# Altium PCB MalletteV2_PCB_2L.PcbDoc
Units mm, origin at the board's own origin, x right, y up, seen from the top; angles counter-clockwise.
Board outline 390 x 250 mm, 2 copper layers (Top, Bottom), stack 1.54 mm thick; 86 components, 46 nets, 361 pads, 11 vias.
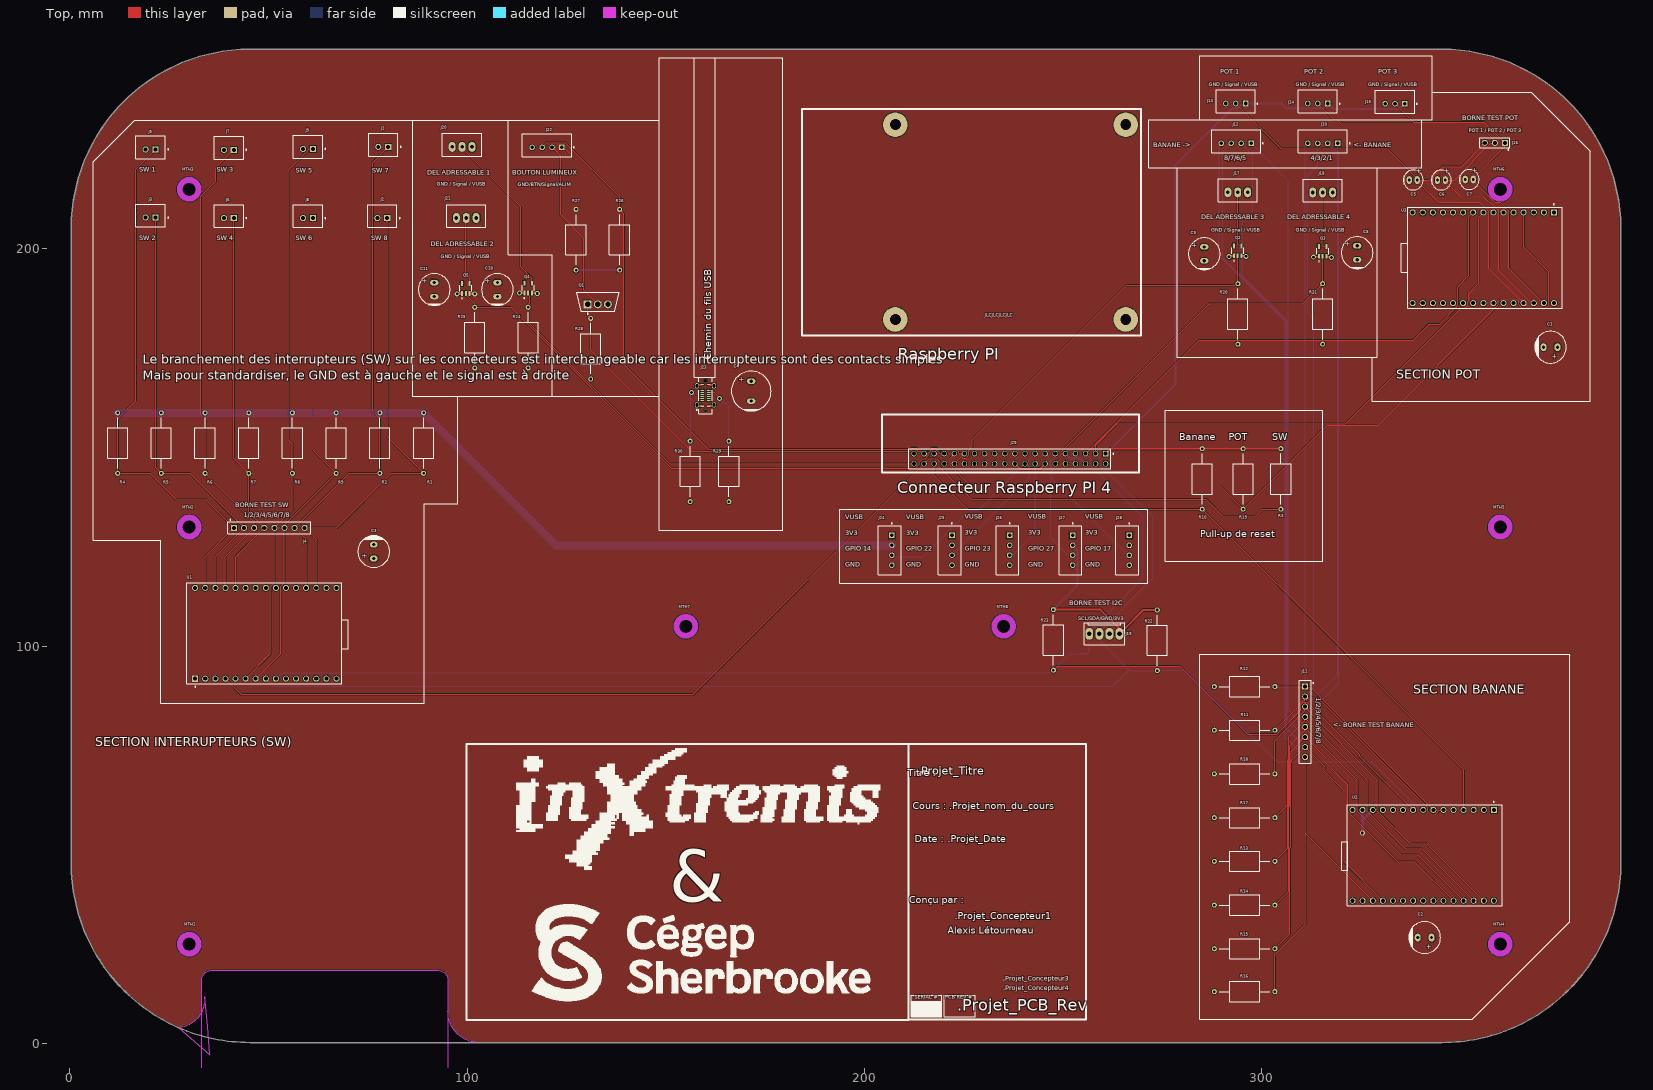
[diagram p0: Top view]
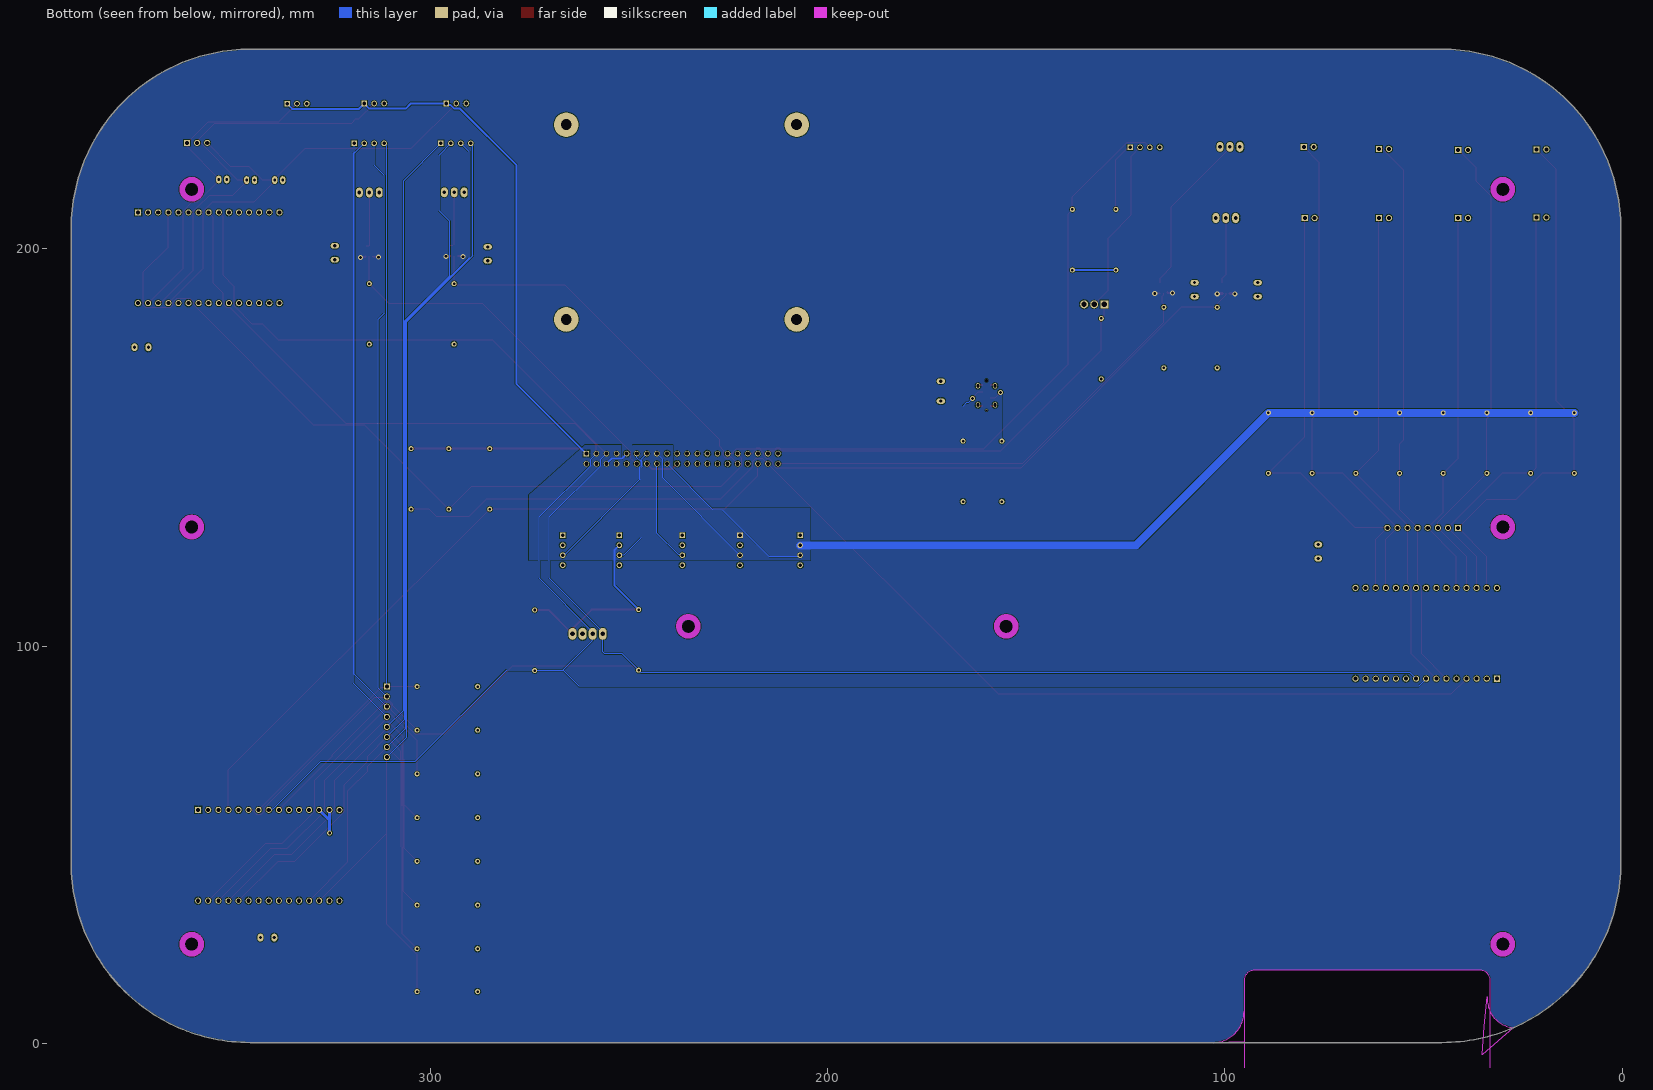
[diagram p1: Bottom view, seen from below]

## Layer stack, top to bottom
Top Solder: solder mask 0.0102, Solder Resist, Dk 3.5
Top: signal copper 0.035
Dielectric 1: core 1.47, FR-4, Dk 4.6
Bottom: signal copper 0.035
Bottom Solder: solder mask 0.0102, Solder Resist, Dk 3.5

## Board outline
0.318,45.254 0.318,205.254 cw(c45.318,205.254) 45.318,250.254 345.318,250.254 cw(c345.318,205.254) 390.318,205.254 390.318,45.254 cw(c345.318,45.254) 345.318,0.254 45.318,0.254 cw(c45.318,45.254)
cut-out: 33.874,11.83 cw(c26.722,11.171) 27.381,4.019 35.229,-2.823 34.663,4.347
cut-out: 102.87,0.254 cw(c102.944,8.064) 95.133,8.138 95.133,0.264 98.943,0.264
cut-out: 33.147,-13.716 33.147,15.875 cw(c35.687,15.875) 35.687,18.415 92.583,18.415 cw(c92.583,15.875) 95.123,15.875 95.123,-13.716

## Design rules (kind name [scope] priority, off if disabled: settings)
BoardOutlineClearance [All] p1: gap=0.2 ignorepadtopadclearanceinfootprint=FALSE except(0: Arc-SplitContinuation Track-SplitContinuation SMDPad-SplitContinuation THPad-SplitContinuation Via-SplitContinuation Fill-SplitContinuation Poly-SplitContinuation Region-SplitContinuation Text-SplitContinuation)
Clearance [All] p1: gap=0.152 ignorepadtopadclearanceinfootprint=FALSE except(0: Arc-Hole Track-Hole SMDPad-Hole THPad-Hole Via-Hole Fill-Hole Poly-Hole Region-Hole Text-Hole; 0.127: Arc-Arc Arc-Track Track-Track SMDPad-Fill SMDPad-Poly SMDPad-Region; 0.2: Arc-SMDPad Track-SMDPad; 0.254: Arc-Via Track-Via Via-Via; 0.33: Arc-THPad Track-THPad; 0.5: THPad-THPad) ismatrix=TRUE
Clearance Clearance_2 [All] p2: gap=0.254 ignorepadtopadclearanceinfootprint=FALSE
Clearance Clearance_1 [All] p3: gap=0.254 ignorepadtopadclearanceinfootprint=FALSE
ComponentClearance [All] p1: gap=0.102 collisioncheckmode=3 verticalgap=0.102 showdistances=FALSE
HoleSize [All] p1: absolutevalues=TRUE maxlimit=6.3 minlimit=0.3 maxpercent=80.000 minpercent=20.000
HoleToHoleClearance [All] p1: gap=0.5 allowstackedmicrovias=FALSE
MinimumAnnularRing [All] p1: minimumring=0.1
MinimumSolderMaskSliver [All] p1: minsoldermaskwidth=0.1
PlaneClearance [All] p1: clearance=0.152
PlaneConnect [All] p1: pad.planeconnectstyle=Relief pad.reliefexpansion=0.508 pad.reliefentries=4 pad.reliefconductorwidth=0.254 pad.reliefairgap=0.254 via.planeconnectstyle=Direct via.reliefexpansion=0.508 via.reliefentries=4 via.reliefconductorwidth=0.254 via.reliefairgap=0.254
PolygonConnect [All] p1: thpad.connectstyle=Relief thpad.reliefconductorwidth=0.254 thpad.reliefentries=4 thpad.polygonreliefangle="90 Angle" thpad.airgapwidth=0.254 smdpad.connectstyle=Relief smdpad.reliefconductorwidth=0.254 smdpad.reliefentries=4 smdpad.polygonreliefangle="90 Angle" smdpad.airgapwidth=0.254 via.connectstyle=Direct via.reliefconductorwidth=0.254 via.reliefentries=4 via.polygonreliefangle="90 Angle" via.airgapwidth=0.254
RoutingVias [All] p1: holewidth=0.3 width=0.5 viastyle="Through Hole" minholewidth=0.3 minwidth=0.5 maxholewidth=6.3 maxwidth=6.5
SilkToSilkClearance [All] p1: silktosilkclearance=0.102
SilkToSolderMaskClearance [IsPad] p1: minsilkscreentomaskgap=0.024 clearancetoexposedcopper=FALSE
SolderMaskExpansion SolderMaskExpansion_Via [isVia] p1: expansion=0.102 istentingtop=TRUE
SolderMaskExpansion [All] p2: expansion=0.051 istentingtop=FALSE
Width [All] p1: maxlimit=25.4 minlimit=0.127 preferedwidth=0.152 minimp=50.000000 maximp=50.000000 favimp=50.000000
22 further rules are at their usual default settings.

## Classes and differential pairs
component class Alimentation_USB_Header: C4 J23 R29 R30
component class Énigme3_Potentiomètres: C3 C5 C6 C7 J13 J14 J15 J16 R19 U3
component class Énigme2_Crocodile: C2 J10 J11 J12 R10 R11 R12 R13 R14 R15 R16 R17 R18 U2
component class Énigme1_Switch: C1 J1 J2 J3 J4 J5 J6 J7 J8 J9 R1 R2 R3 R4 R5 R6 R7 R9 U1
component class Raspberry_Pi_4_ModelB: C8 C9 C10 C11 J17 J18 J19 J20 J21 J22 J24 J25 J26 J27 J28 J29 ll MTH1 MTH2 MTH3 MTH4 MTH5 MTH6 MTH7 MTH8 Q1 Q2 Q3 Q4 Q5 R20 R21 R22 R23 R24 R25 R26 R27 R28

## Components (designator, comment, footprint, x,y, rotation, side; value= is the part's Value field where it differs from the comment)
C1 "100 µF" "CAP AL TH D8 L3.5 H12.5" 372.646,175.26 r180 top
C2 "100 µF" "CAP AL TH D8 L3.5 H12.5" 340.967,26.67 r180 top
C3 "100 µF" "CAP AL TH D8 L3.5 H12.5" 76.454,123.825 r90 top
C4 "470 µF" "CAP TH ALPOLY D10.00mm S5.00mm H13.00mm" 171.45,164.211 r90 top
C5 "0.1µF" "CAP TH ALUM ELEC D5.00mm S2.00mm H12.00mm" 338.102,217.33 r0 top
C6 "0.1µF" "CAP TH ALUM ELEC D5.00mm S2.00mm H12.00mm" 345.17,217.33 r0 top
C7 "0.1µF" "CAP TH ALUM ELEC D5.00mm S2.00mm H12.00mm" 352.187,217.467 r0 top
C8 "0.1 uf" "CAP TH ALPOLY D8.00mm S3.50mm H21.50mm" 323.977,199.035 r90 top
C9 "0.1 uf" "CAP TH ALPOLY D8.00mm S3.50mm H21.50mm" 285.496,198.767 r90 top
C10 "0.1 uf" "CAP TH ALPOLY D8.00mm S3.50mm H21.50mm" 107.569,189.766 r90 top
C11 "0.1 uf" "CAP TH ALPOLY D8.00mm S3.50mm H21.50mm" 91.694,189.766 r90 top
J1 "B2B-XH-A(LF)(SN)" FP-B2B-XH-A_LF_SN-MFG 78.837,226.193 r180 top
J2 "B2B-XH-A(LF)(SN)" FP-B2B-XH-A_LF_SN-MFG 78.593,208.291 r180 top
J3 "B2B-XH-A(LF)(SN)" FP-B2B-XH-A_LF_SN-MFG 20.3,208.424 r180 top
J4 "CON_HDR_1X8" CON_HDR_1x8 50.165,129.794 r90 top
J5 "B2B-XH-A(LF)(SN)" FP-B2B-XH-A_LF_SN-MFG 20.3,225.569 r180 top
J6 "B2B-XH-A(LF)(SN)" FP-B2B-XH-A_LF_SN-MFG 39.985,208.291 r180 top
J7 "B2B-XH-A(LF)(SN)" FP-B2B-XH-A_LF_SN-MFG 39.985,225.461 r180 top
J8 "B2B-XH-A(LF)(SN)" FP-B2B-XH-A_LF_SN-MFG 59.924,208.291 r180 top
J9 "B2B-XH-A(LF)(SN)" FP-B2B-XH-A_LF_SN-MFG 59.924,225.679 r180 top
J10 "B4B-XH-A(LF)(SN)" FP-B4B-XH-A_LF_SN-MFG 315.321,227.093 r0 top
J11 "CON_HDR_1X8" CON_HDR_1x8 310.896,80.967 r0 top
J12 "B4B-XH-A(LF)(SN)" FP-B4B-XH-A_LF_SN-MFG 293.517,227.093 r0 top
J13 "B3B-XH-A(LF)(SN)" FP-B3B-XH-A_LF_SN-MFG 293.41,237.126 r180 top
J14 "B3B-XH-A(LF)(SN)" FP-B3B-XH-A_LF_SN-MFG 314.071,237.126 r180 top
J15 "B3B-XH-A(LF)(SN)" FP-B3B-XH-A_LF_SN-MFG 333.502,237.076 r180 top
J16 "CON_HDR_1X3" CON_HDR_1x3 358.632,226.695 r270 top
J17 "B3B-XH-A(LF)(SN)" "JST XH B3B-XH-A" 293.918,214.249 r180 top
J18 "B3B-XH-A(LF)(SN)" "JST XH B3B-XH-A" 315.301,214.208 r180 top
J19 "0022272041" "MOLEX KK 0022272041" 260.35,103.124 r180 top
J20 "B3B-XH-A(LF)(SN)" "JST XH B3B-XH-A" 98.679,225.693 r180 top
J21 "B3B-XH-A(LF)(SN)" "JST XH B3B-XH-A" 99.735,207.791 r180 top
J22 "B4B-XH-A(LF)(SN)" FP-B4B-XH-A_LF_SN-MFG 120.075,226.077 r0 top
J23 "USB4120-03-C" FP-USB4120-03-C-MFG 159.95,163.135 r90 top
J24 "B4B-XH-A(LF)(SN)" FP-B4B-XH-A_LF_SN-MFG 206.358,124.146 r90 top
J25 "B4B-XH-A(LF)(SN)" FP-B4B-XH-A_LF_SN-MFG 221.471,124.146 r90 top
J26 "B4B-XH-A(LF)(SN)" FP-B4B-XH-A_LF_SN-MFG 235.966,124.146 r90 top
J27 "B4B-XH-A(LF)(SN)" FP-B4B-XH-A_LF_SN-MFG 251.824,124.146 r90 top
J28 "B4B-XH-A(LF)(SN)" FP-B4B-XH-A_LF_SN-MFG 266.096,124.146 r90 top
J29 "TSW-120-25-G-D" SAMTEC_TSW-120-25-G-D 260.687,148.463 r180 top
MTH1 "MTH_M3_NON_PLATED" MTH_M3_NON_PLATED 30,25 r0 top
MTH2 "MTH_M3_NON_PLATED" MTH_M3_NON_PLATED 30,130 r0 top
MTH3 "MTH_M3_NON_PLATED" MTH_M3_NON_PLATED 30,215 r0 top
MTH4 "MTH_M3_NON_PLATED" MTH_M3_NON_PLATED 360,25 r0 top
MTH5 "MTH_M3_NON_PLATED" MTH_M3_NON_PLATED 360,130 r0 top
MTH6 "MTH_M3_NON_PLATED" MTH_M3_NON_PLATED 360,215 r0 top
MTH7 "MTH_M3_NON_PLATED" MTH_M3_NON_PLATED 155,105 r0 top
MTH8 "MTH_M3_NON_PLATED" MTH_M3_NON_PLATED 235,105 r0 top
Q1 "IRF520NPBF" FP-PG-TO220-3-MFG 132.842,186.665 r90 top
Q2 "74HC1G125GV-Q100H" SOT95P275X110-5N 293.918,199.517 r90 top
Q3 "74HC1G125GV-Q100H" SOT95P275X110-5N 315.301,199.39 r90 top
Q4 "74HC1G125GV-Q100H" SOT95P275X110-5N 115.31,190.116 r90 top
Q5 "74HC1G125GV-Q100H" SOT95P275X110-5N 99.614,190.061 r90 top
R1 "10 Kohm" Res_Template 89,143.51 r90 top
R2 "10 Kohm" Res_Template 78,143.51 r90 top
R3 "10 Kohm" Res_Template 304.8,134.493 r90 top
R4 "10 Kohm" Res_Template 12,143.51 r90 top
R5 "10 Kohm" Res_Template 23,143.51 r90 top
R6 "10 Kohm" Res_Template 34,143.51 r90 top
R7 "10 Kohm" Res_Template 45,143.51 r90 top
R8 "10 Kohm" Res_Template 56,143.51 r90 top
R9 "10 Kohm" Res_Template 67,143.51 r90 top
R10 "10 Kohm" Res_Template 284.988,134.493 r90 top
R11 "10 Kohm" Res_Template 288.036,78.857 r0 top
R12 "10 Kohm" Res_Template 288.036,89.857 r0 top
R13 "10 Kohm" Res_Template 288.036,45.857 r0 top
R14 "10 Kohm" Res_Template 288.036,34.857 r0 top
R15 "10 Kohm" Res_Template 288.036,23.857 r0 top
R16 "10 Kohm" Res_Template 288.036,13.081 r0 top
R17 "10 Kohm" Res_Template 288.036,56.857 r0 top
R18 "10 Kohm" Res_Template 288.036,67.857 r0 top
R19 "10 Kohm" Res_Template 295.275,134.493 r90 top
R20 "10 Kohm" Res_Template 293.959,176.022 r90 top
R21 "10 Kohm" Res_Template 315.301,176.022 r90 top
R22 "4.7 Kohm" Res_Template 273.685,93.876 r90 top
R23 "4.7 Kohm" Res_Template 247.523,109.22 r270 top
R24 "10 Kohm" Res_Template 115.31,170.053 r90 top
R25 "10 Kohm" Res_Template 101.876,170.053 r90 top
R26 "4.7 Kohm" Res_Template 138.317,209.931 r270 top
R27 "90 ohm" Res_Template 127.367,209.931 r270 top
R28 "4.7 Kohm" Res_Template 131.064,167.259 r90 top
R29 "5.1 Kohm" Res_Template 165.862,136.398 r90 top
R30 "5.1 Kohm" Res_Template 156.083,136.398 r90 top
U1 "ESP32-C3-DEVKITC-02" XCVR_ESP32-C3-DEVKITC-02 48.895,103.251 r90 top
U2 "ESP32-C3-DEVKITC-02" XCVR_ESP32-C3-DEVKITC-02 340.995,47.371 r270 top
U3 "ESP32-C3-DEVKITC-02" XCVR_ESP32-C3-DEVKITC-02 356.115,197.773 r270 top

## Footprints (in the part's own frame and the unit in brackets; to place one, negate y for a bottom-side part, rotate by r counter-clockwise, add the part's x,y. Pads: shape width x height; smd on the part's side, far side on the other; paste and mask are expansions set on the pad)
"CAP AL TH D8 L3.5 H12.5" [mm] "8MM Diameter, 3.5MM Lead Spacing Aluminium Capacitor"
  oval 1.5x2 hole 0.8: 1(-1.75,0) 2(1.75,0)
  silkscreen extent -4,-4 4,4, body extent -4,-4 4,4, height 11.5
"CAP TH ALPOLY D8.00mm S3.50mm H21.50mm" [mm] "8.00mm Diameter 21.50mm Lead Spacing Aluminum - Polymer Capacitors Radial, Can"
  oval 1.4x2.1 hole 0.8: 1(1.75,0) 2(-1.75,0)
  silkscreen extent -4,-4 4,4, body extent -4.01,-4 4,4, height 21.5
"CAP TH ALPOLY D10.00mm S5.00mm H13.00mm" [mm] "10.00mm Diameter 13.00mm Lead Spacing Aluminum - Polymer Capacitors Radial, Can"
  oval 1.4x2.1 hole 0.8: 1(2.5,0) 2(-2.5,0)
  silkscreen extent -5,-5 5,5, body extent -5.01,-5 5,5, height 13
"CAP TH ALUM ELEC D5.00mm S2.00mm H12.00mm" [mm] "5mm Diameter 2mm Lead Spacing Aluminum Electrolytic Capacitors Radial, Can"
  oval 1.3x1.95 hole 0.7: 1(1,0) 2(-1,0)
  silkscreen extent -2.5,-2.5 2.5,2.5, body extent -2.51,-2.5 2.5,2.5, height 12
CON_HDR_1x3 [mil]
  rect 60x60 hole 40: 1(0,100)
  round 60 hole 40: 2(0,0) 3(0,-100)
  silkscreen extent -50,-150 75,150, body extent -49,-150 49,150, height 338
CON_HDR_1x8 [mil]
  rect 60x60 hole 40 mask+2.76: 1(0,350)
  round 60 hole 40 mask+2.76: 2(0,250) 3(0,150) 4(0,50) 5(0,-50) 6(0,-150) 7(0,-250) 8(0,-350)
  silkscreen extent -60,-410 85,410, body extent -50,-400 50,400, height 334
FP-B2B-XH-A_LF_SN-MFG [mm]
  rect 1.55x1.55 hole 1 paste-2539.97 mask+0: 1(-1.25,0.525)
  round 1.55 hole 1 paste-2539.97 mask+0: 2(1.25,0.525)
  silkscreen extent -4.5,-2.88 3.7,2.88, body extent -3.8,-2.98 3.8,2.98, height 0.25
FP-B3B-XH-A_LF_SN-MFG [mm]
  rect 1.4x1.4 hole 0.9 paste-2539.97 mask+0: 1(-2.5,0.525)
  round 1.4 hole 0.9 paste-2539.97 mask+0: 2(0,0.525) 3(2.5,0.525)
  silkscreen extent -5.6,-2.88 4.95,2.88, body extent -5.05,-2.98 5.05,2.98, height 0.25
FP-B4B-XH-A_LF_SN-MFG [mm]
  rect 1.4x1.4 hole 0.9 paste-2539.97 mask+0: 1(3.75,-0.525)
  round 1.4 hole 0.9 paste-2539.97 mask+0: 2(1.25,-0.525) 3(-1.25,-0.525) 4(-3.75,-0.525)
  silkscreen extent -6.2,-2.88 6.88,2.88, body extent -6.3,-2.98 6.3,2.98, height 0.25
FP-PG-TO220-3-MFG [mm]
  rect 2x2 hole 1.3 paste-2539.97 mask+0: 1(-0.61,2.54)
  round 2 hole 1.3 paste-2539.97 mask+0: 2(-0.61,0) 3(-0.61,-2.54)
  silkscreen extent -3.1,-5.38 2.41,5.38, body extent -2.51,-5.48 2.51,5.48, height 0.25
FP-USB4120-03-C-MFG [mm]
  rrect100% 1.35x1.1 hole 0.6 slot 0.85 at 0 deg paste-2539.97 mask+0: 1(-2.4,2.15) 2(2.4,2.15) 3(-2.4,-2.15) 4(2.4,-2.15)
  rect 0.3x0.87 smd paste+0 mask+0: A1(-2.75,0.865) A4(-1.25,0.865) A5(-0.75,0.865) A6(-0.25,0.865) A7(0.25,0.865) A8(0.75,0.865) A9(1.25,0.865) A12(2.75,0.865) B1(2.75,-0.865) B4(1.25,-0.865) B5(0.75,-0.865) B6(0.25,-0.865) B7(-0.25,-0.865) B8(-0.75,-0.865) B9(-1.25,-0.865) B12(-2.75,-0.865)
  oval 0.53x0.52 hole 0.52 unplated paste-2539.97 mask+0: ""(-3.75,0)
  rrect100% 0.75x0.52 hole 0.52 slot 0.72 at 0 deg unplated paste-2539.97 mask+0: ""(3.75,0)
  silkscreen extent -4.59,-1.71 4.59,2.3, body extent -4.69,-2.8 4.69,2.8, height 0.25
"JST XH B3B-XH-A" [mm]
  oval 1.75x2.5 hole 0.9: 1(-2.5,0) 2(0,0) 3(2.5,0)
  silkscreen extent -4.95,-3.38 4.95,2.38, body extent -4.95,-3.38 4.95,2.38, height 7
"MOLEX KK 0022272041" [mm]
  oval 2x3 hole 1.2: 1(-3.81,0) 2(-1.27,0) 3(1.27,0) 4(3.81,0)
  silkscreen extent -5.08,-2.79 5.08,2.79, body extent -5.08,-2.9 5.08,2.9, height 11.7
MTH_M3_NON_PLATED [mm] "Mounting Hole Metric M3 NON_PLATED"
  round 0 hole 3.3 unplated paste-2539.97 mask+0.07: 1(0,0)
  Top keep-out circle w1.45: c0,0 r2.375
  Bottom keep-out circle w1.45: c0,0 r2.375
Res_Template [mm]
  round 1.27 hole 0.635: 1(0,0) 2(15.24,0)
  silkscreen extent 1.27,-2.54 13.97,2.54
SAMTEC_TSW-120-25-G-D [mm]
  rect 1.37x1.37 hole 1.02: 01(0,0)
  round 1.37 hole 1.02: 02(0,2.54) 03(2.54,0) 04(2.54,2.54) 05(5.08,0) 06(5.08,2.54) 07(7.62,0) 08(7.62,2.54) 09(10.16,0) 10(10.16,2.54) 11(12.7,0) 12(12.7,2.54) 13(15.24,0) 14(15.24,2.54) 15(17.78,0) 16(17.78,2.54) 17(20.32,0) 18(20.32,2.54) 19(22.86,0) 20(22.86,2.54) 21(25.4,0) 22(25.4,2.54) 23(27.94,0) 24(27.94,2.54) 25(30.48,0) 26(30.48,2.54) 27(33.02,0) 28(33.02,2.54) 29(35.56,0) 30(35.56,2.54) 31(38.1,0) 32(38.1,2.54) 33(40.64,0) 34(40.64,2.54) 35(43.18,0) 36(43.18,2.54) 37(45.72,0) 38(45.72,2.54) 39(48.26,0) 40(48.26,2.54)
  silkscreen extent -2.02,-1.27 49.53,3.81
SOT95P275X110-5N [mm]
  rrect25% 1.22x0.5 smd: 1(-1.245,0.95) 2(-1.245,0) 3(-1.245,-0.95) 4(1.245,-0.95) 5(1.245,0.95)
  silkscreen extent -2.6,-1.52 0.75,1.52, body extent -1.38,-1.45 1.38,1.45, height 1.1
XCVR_ESP32-C3-DEVKITC-02 [mm]
  rect 1.53x1.53 hole 1.02: 1(-11.43,17.392)
  round 1.53 hole 1.02: 2(-11.43,14.852) 3(-11.43,12.312) 4(-11.43,9.772) 5(-11.43,7.232) 6(-11.43,4.692) 7(-11.43,2.152) 8(-11.43,-0.388) 9(-11.43,-2.928) 10(-11.43,-5.468) 11(-11.43,-8.008) 12(-11.43,-10.548) 13(-11.43,-13.088) 14(-11.43,-15.628) 15(-11.43,-18.168) 16(11.43,-18.168) 17(11.43,-15.628) 18(11.43,-13.088) 19(11.43,-10.548) 20(11.43,-8.008) 21(11.43,-5.468) 22(11.43,-2.928) 23(11.43,-0.388) 24(11.43,2.152) 25(11.43,4.692) 26(11.43,7.232) 27(11.43,9.772) 28(11.43,12.312) 29(11.43,14.852) 30(11.43,17.392)
  silkscreen extent -13.56,-19.46 12.7,19.46

## Part data
C1 C2 C3: library part 860020674015, "CAP ALUM 100UF 20% 50V RADIAL", Device Package="Radial, Can", Lifetime @ Temp.="2000 Hrs @ 105°C", manufacturer="Würth Elektronik", Operating Temperature="-40°C ~ 105°C", Ripple Current @ High Frequency="306 mA @ 100 kHz", Ripple Current @ Low Frequency="200 mA @ 120 Hz", Supplier Part Number 1=732-8861-1-ND, Tolerance=±20%, Voltage - Rated="50 V", Applications="General Purpose", Capacitance="100 µF", ComponentLink1Description=Datasheet, ComponentLink1URL=https://katalog.we-online.de/pbs/datasheet/860020674015.pdf, componentlink2description="DigiKey Link", componentlink2url=https://www.digikey.com/en/products/detail/würth-elektronik/860020674015/5727098, Height - Seated (Max)="0.492\" (12.50mm)", lastupdated="2024-06-03 20:06:11", Lead Spacing="0.138\" (3.50mm)", Lifecycle Status=Active, Minimum Order=1, Mounting Type="Through Hole", Package / Case="Radial, Can", Packaging=TapeAndBox, Part Number=860020674015, Part Status=Active, partid=7238, Polarization=Polar, Price=0.16, Series=WCAP-ATG5, Size / Dimension="0.315\" Dia (8.00mm)", Supplier 1=DigiKey
C4: library part A759MS477M1EAAE020, "CAP ALUM POLY 470UF 20% 25V T/H", ESR (Equivalent Series Resistance)=20mOhm, Lifetime @ Temp.="2000 Hrs @ 125°C", manufacturer=KEMET, Operating Temperature="-55°C ~ 125°C", Ripple Current @ High Frequency="4.844 A @ 100 kHz", Ripple Current @ Low Frequency="242.2 mA @ 120 Hz", Supplier Part Number 1=399-A759MS477M1EAAE020-ND, Tolerance=±20%, Voltage - Rated="25 V", Applications="General Purpose", Capacitance="470 µF", ComponentLink1Description=Datasheet, ComponentLink1URL=https://api.kemet.com/component-edge/download/specsheet/A759MS477M1EAAE020.pdf, componentlink2description="DigiKey Link", componentlink2url=https://www.digikey.com/en/products/detail/kemet/A759MS477M1EAAE020/13676499, Height - Seated (Max)="0.512\" (13.00mm)", lastupdated="2024-06-03 20:25:49", Lead Spacing="0.197\" (5.00mm)", Lifecycle Status=Active, Minimum Order=1, Mounting Type="Through Hole", Packaging=Bulk, Part Number=A759MS477M1EAAE020, Part Status=Active, partid=4689, Price=0.24, Series=A759, Size / Dimension="0.394\" Dia (10.00mm)", Supplier 1=DigiKey, Type=Polymer
C5 C6 C7: library part UKL2A0R1KDD, "CAP ALUM 0.1UF 10% 100V RADIAL", Device Package="Radial, Can", Lifetime @ Temp.="2000 Hrs @ 85°C", manufacturer=Nichicon, Operating Temperature="-40°C ~ 85°C", Ripple Current @ High Frequency="4.2mA @ 10kHz", Ripple Current @ Low Frequency="2.1mA @ 120Hz", Supplier Part Number 1=493-16876-ND, Tolerance=±10%, Voltage - Rated=100V, Applications="General Purpose", Capacitance=0.1µF, ComponentLink1Description=Datasheet, ComponentLink1URL=http://nichicon-us.com/english/products/pdfs/e-ukl.pdf, componentlink2description="DigiKey Link", componentlink2url=http://digikey.com/product-detail/en/nichicon/UKL2A0R1KDD/493-16876-ND/2598554, Height - Seated (Max)="0.472\" (12.00mm)", lastupdated="2020-09-04 23:28:57", Lead Spacing="0.079\" (2.00mm)", Lifecycle Status=Active, Minimum Order=1, Mounting Type="Through Hole", Package / Case="Radial, Can", Packaging=Bulk, Part Number=UKL2A0R1KDD, Part Status=Active, partid=21583, Polarization=Polar, Price=0.39, Series=UKL, Size / Dimension="0.197\" Dia (5.00mm)", Supplier 1=DigiKey
C8 C9 C10 C11: library part APSG160ELL152MH20S, "ALUMINUM CAPACITOR", Capacitance="1.5 mF", ESR (Equivalent Series Resistance)=8mOhm, Lifetime @ Temp.="20000 Hrs @ 105°C", manufacturer=Chemi-Con, Operating Temperature="-55°C ~ 105°C", Ripple Current @ High Frequency="7.5 A @ 100 kHz", Ripple Current @ Low Frequency="750 mA @ 120 Hz", Supplier Part Number 1=565-APSG160ELL152MH20S-ND, Tolerance=±20%, Voltage - Rated="16 V", Applications="General Purpose", ComponentLink1Description=Datasheet, ComponentLink1URL=https://www.chemi-con.co.jp/products/relatedfiles/capacitor/catalog/PSGLL-e.PDF, componentlink2description="DigiKey Link", componentlink2url=https://www.digikey.com/en/products/detail/chemi-con/APSG160ELL152MH20S/21805209, Height - Seated (Max)="0.846\" (21.50mm)", lastupdated="2024-06-03 20:25:13", Lead Spacing="0.138\" (3.50mm)", Lifecycle Status=Active, Minimum Order=1, Mounting Type="Through Hole", Packaging=Bulk, Part Number=APSG160ELL152MH20S, partid=5888, Price=0.35, Series=NPCAP™-PSG, Size / Dimension="0.315\" Dia (8.00mm)", Supplier 1=DigiKey, Type=Polymer